# Altium PCB PCB1.PcbDoc (part 1 of 2) (continued)
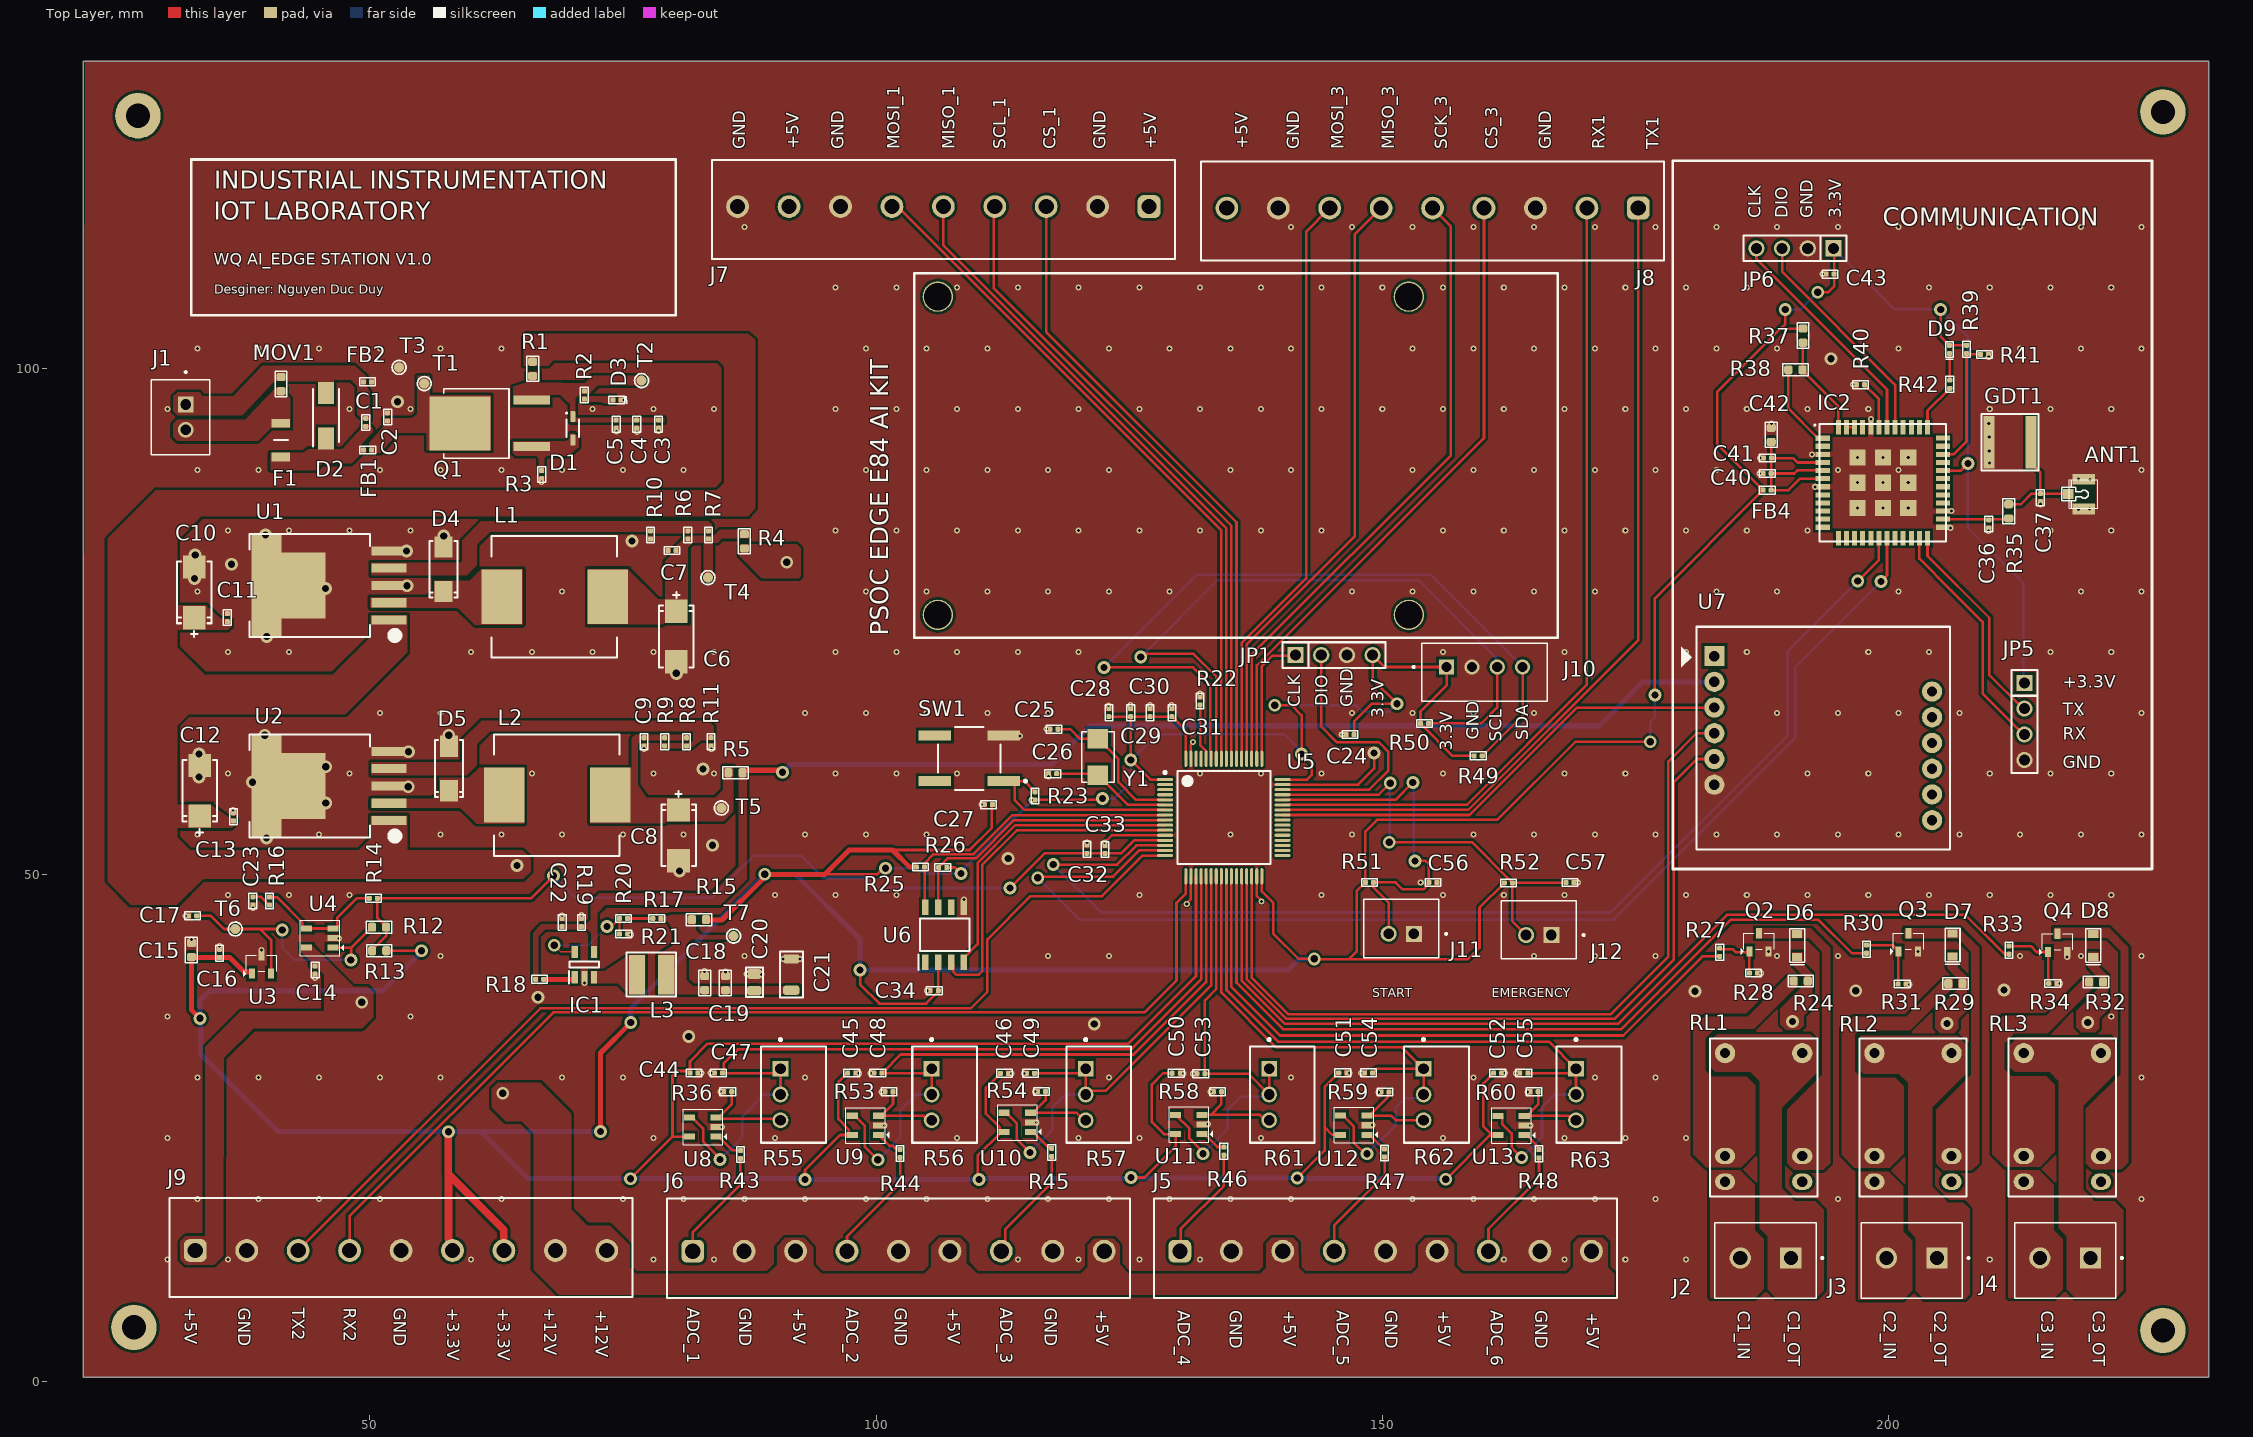
[diagram p0: Top Layer view]
## Footprints (in the part's own frame and the unit in brackets; to place one, negate y for a bottom-side part, rotate by r counter-clockwise, add the part's x,y. Pads: shape width x height; smd on the part's side, far side on the other; paste and mask are expansions set on the pad)
20279-001E-01 [mm]
  rect 1.05x2.2 smd mask+0.025: 1(-1.475,0) 3(1.475,0)
  rect 1x1.05 smd mask+0.025: 2(0,-1.525)
  Top Layer pour cut-out: -0.974,-1.002 0.956,-1.002 0.956,1.182 -0.974,1.182
  silkscreen extent -1.4,-2.16 1.4,1.4, body extent -1.44,-1.49 1.46,1.41, height 1.36
691242510009 [mm] "Serie 2425 - 5.08 mm _ 9 pins"
  rrect50% 2.25x2.25 hole 1.5: 1(-20.32,-0.3)
  round 2.25 hole 1.5: 2(-15.24,-0.3) 3(-10.16,-0.3) 4(-5.08,-0.3) 5(0,-0.3) 6(5.08,-0.3) 7(10.16,-0.3) 8(15.24,-0.3) 9(20.32,-0.3)
  silkscreen extent -22.86,-4.9 22.86,4.9, body extent -22.86,-4.9 22.86,4.9, height 13.85
BOUR-3299W-3_V [mm] "TH, 3-Leads, Body 9.53x6.4mm, Pitch 2.54mm"
  rect 1.55x1.55 hole 1.05: 1(-2.54,-1.29)
  round 1.55 hole 1.05: 2(0,-1.29) 3(2.54,-1.29)
  silkscreen extent -5.54,-3.2 4.76,3.2, body extent -4.76,-3.05 4.76,3.05, height 11.55
"CAP 0402 (1005)" [mm]
  rrect50% 0.5x0.5 smd mask+0.05: 1(-0.4,0) 2(0.4,0)
  silkscreen extent -0.77,-0.39 0.78,0.38, body extent -0.5,-0.25 0.5,0.25, height 0.51
"CAP 0603 (1608)" [mm]
  rrect50% 0.8x0.9 smd mask+0.05: 1(-0.7,0) 2(0.7,0)
  silkscreen extent -1.24,-0.58 1.26,0.59, body extent -0.8,-0.4 0.8,0.4, height 0.81
"CAP 0805 (2012)" [mm]
  rrect50% 0.95x1.4 smd mask+0.05: 1(-0.825,0) 2(0.825,0)
  silkscreen extent -1.45,-0.84 1.45,0.84, body extent -1,-0.62 1,0.63, height 0.61
"CAP 1206 (3216)" [mm]
  rrect50% 0.9x1.6 smd: 1(-1.55,0) 2(1.55,0)
  silkscreen extent -2.29,-1.14 2.29,1.09, body extent -1.6,-0.8 1.6,0.8, height 0.95
"CAP TANTA 2312" [mm]
  rect 2.3x2.25 smd mask+0.05: 1(2.5,0) 2(-2.5,0)
  silkscreen extent -4.4,-1.7 3.05,1.7, body extent -3.05,-1.67 3.05,1.68, height 2.71
"CDRH127 (12x12x7MM)" [mm]
  rect 4x5.4 smd mask+0.05: 1(-5.2,0) 2(5.3,0)
  silkscreen extent -6.2,-6 6.2,6, body extent -6,-6 6,6, height 8.21
CMWX1ZZABZ-078 [mm]
  rect 1.4x0.5 smd: 1(-5.944,4.394) 2(-5.944,3.6) 3(-5.944,2.8) 4(-5.944,2) 5(-5.944,1.2) 6(-5.944,0.4) 7(-5.944,-0.4) 8(-5.944,-1.2) 9(-5.944,-2) 10(-5.944,-2.8) 11(-5.944,-3.6) 12(-5.944,-4.4) 25(5.944,-4.4) 26(5.944,-3.6) 27(5.944,-2.8) 28(5.944,-2) 29(5.944,-1.2) 30(5.944,-0.4) 31(5.944,0.4) 32(5.944,1.2) 33(5.944,2) 34(5.944,2.8) 35(5.944,3.6) 36(5.944,4.4)
  rect 0.5x1.4 smd: 13(-4.4,-5.486) 14(-3.6,-5.486) 15(-2.8,-5.486) 16(-2,-5.486) 17(-1.2,-5.486) 18(-0.4,-5.486) 19(0.4,-5.486) 20(1.2,-5.486) 21(2,-5.486) 22(2.8,-5.486) 23(3.6,-5.486) 24(4.4,-5.486) 37(4.4,5.486) 38(3.6,5.486) 39(2.8,5.486) 40(2,5.486) 41(1.2,5.486) 42(0.4,5.486) 43(-0.4,5.486) 44(-1.2,5.486) 45(-2,5.486) 46(-2.8,5.486) 47(-3.6,5.486) 48(-4.394,5.486)
  rect 1.6x1.6 smd: 49(-2.5,2.5) 50(0,2.5) 51(2.5,2.5) 52(-2.5,0) 53(0,0) 54(2.5,0) 55(-2.5,-2.5) 56(0,-2.5) 57(2.5,-2.5)
  silkscreen extent -6.78,-5.8 6.25,5.8, body extent -6.28,-5.8 6.22,5.8, height 1.76
DO-214AC [mm]
  rect 2.1x1.8 smd mask+0.05: 1(2.2,0) 2(-2.2,0)
  silkscreen extent -2.8,-1.4 2.8,1.4, body extent -2.74,-1.4 2.74,1.4, height 2.3
"FB 0402 (1005)" [mm]
  rrect50% 0.5x0.5 smd mask+0.05: 1(-0.4,0) 2(0.4,0)
  silkscreen extent -0.77,-0.39 0.78,0.38, body extent -0.5,-0.25 0.5,0.25, height 0.55
FP-EVQ-P1905M-MFG [mm]
  rect 1x3.2 smd paste+0 mask+0: A(-2.25,-3.4) A'(-2.25,3.4) B(2.25,-3.4) B'(2.25,3.4)
  silkscreen extent -3.1,-5.68 3.1,3.1, body extent -3.2,-5.1 3.2,5.1, height 0.25
FUSC3216X100N [mm]
  rect 0.86x1.82 smd: 1(-1.675,0) 2(1.675,0)
  silkscreen extent 0,-0.7 0,0.7, body extent -1.63,-0.8 1.63,0.8, height 1
GDT [mil]
  rect 42x205 smd: 1(-82.5,-2) 2(80.5,-2)
  silkscreen extent -111,-112 109,108, body extent -90,-105 88,101, height 205
HANDSON_KF301-2P [mm]
  rect 2.1x2.1 / inner round 2.1 / far side rect 2.1x2.1 hole 1.4: 1(-2.5,0)
  round 2.1 hole 1.4: 2(2.5,0)
  silkscreen extent -5.7,-3.5 5,4, body extent -5.6,-3.75 5,3.75, height 10
IND_4028 [mm]
  rect 1.6x3.9 smd: 1(-1.45,0) 2(1.45,0)
  silkscreen extent -2.46,-2.16 2.44,2.16, body extent -2.19,-2.01 2.21,1.99, height 1.8
"JP 1x4 DT" [mm] "4 pins, 1 row, straight, gold plating"
  rect 1.6x1.6 hole 1.1: 1(0,0)
  round 1.6 hole 1.1: 2(2.54,0) 3(5.08,0) 4(7.62,0)
  silkscreen extent -1.27,-1.27 8.89,1.27, body extent -1.27,-1.27 8.89,1.27, height 8.54
"JP 1X4 DT" [mm] "4 pins, 1 row, straight, gold plating"
  rect 1.6x1.6 hole 1.1: 1(0,0)
  round 1.6 hole 1.1: 2(2.54,0) 3(5.08,0) 4(7.62,0)
  silkscreen extent -1.27,-1.27 8.89,1.27, body extent -1.27,-1.27 8.89,1.27, height 8.54
JST_B2B-XH-A(LF)(SN) [mm]
  rect 1.575x1.575 / inner round 1.575 / far side rect 1.575x1.575 hole 1.05: 1(1.25,-0.525)
  round 1.575 hole 1.05: 2(-1.25,-0.525)
  silkscreen extent -3.7,-2.88 4.54,2.88, body extent -3.7,-2.88 3.7,2.88, height 7
JST_B4B-XH-A [mm]
  rect 1.508x1.508 / inner round 1.508 / far side rect 1.508x1.508 hole 1: 1(3.75,-0.525)
  round 1.508 hole 1: 2(1.25,-0.525) 3(-1.25,-0.525) 4(-3.75,-0.525)
  silkscreen extent -6.2,-2.88 7.1,2.88, body extent -6.2,-2.88 6.2,2.88, height 7
"LED0402 BLUE" [mm]
  rrect50% 0.5x0.5 smd mask+0.05: 1(0.438,-0.009) 2(-0.362,-0.009)
  silkscreen extent -0.92,-0.4 0.82,0.37, body extent -0.5,-0.3 0.5,0.3, height 0.2
"LED 0402 RED" [mm]
  rrect50% 0.5x0.5 smd mask+0.05: 1(0.438,-0.009) 2(-0.362,-0.009)
  silkscreen extent -0.92,-0.4 0.82,0.37, body extent -0.5,-0.3 0.5,0.3, height 0.2
"MODULE SIM SIM800L" [mm]
  rect 2x2 hole 1.02: 1(-10.75,8.1)
  round 2 hole 1.02: 2(-10.75,5.56) 3(-10.75,3.02) 4(-10.75,0.48) 5(-10.75,-2.06) 6(-10.75,-4.6) 7(10.75,-8.1) 8(10.75,-5.56) 9(10.75,-3.02) 10(10.75,-0.48) 11(10.75,2.06) 12(10.75,4.6)
  silkscreen extent -14,-11 12.5,11, body extent -12.5,-11 12.5,11, height 7
MOV22 [mm]
  rrect50% 0.8x0.9 smd mask+0.05: 1(-0.7,0) 2(0.7,0)
  silkscreen extent -1.25,-0.59 1.25,0.58, body extent -0.8,-0.4 0.8,0.4, height 0.4
"RELAY SR5-9V-200-1C" [mm]
  oval 1.6x2 hole 1: 1(-3.81,3.81) 5(-6.35,3.81) 7(-6.35,-3.81) 8(-3.81,-3.81)
  round 2 hole 1: 3(6.35,-3.81) 3(6.35,3.81)
  silkscreen extent -7.8,-5.3 7.8,5.3, body extent -7.8,-5.3 7.8,5.3, height 11.8
"RES 0402 (1005)" [mm]
  rrect50% 0.5x0.5 smd mask+0.05: 1(-0.4,0) 2(0.4,0)
  silkscreen extent -0.77,-0.38 0.77,0.38, body extent -0.5,-0.25 0.5,0.25, height 0.35
"RES 0603 (1608)" [mm]
  rrect50% 0.8x0.9 smd mask+0.05: 1(-0.7,0) 2(0.7,0)
  silkscreen extent -1.25,-0.59 1.25,0.58, body extent -0.8,-0.4 0.8,0.4, height 0.45
SMD5032 [mil]
  rect 76x79 smd: 1(-70.5,0) 2(70.5,0)
  silkscreen extent -98,-63 98,63, body extent -98,-63 98,63, height 43
SOD323 [mm] "SOD323"
  rect 0.8x1 smd: 1(-1.135,0) 2(1.135,0)
  silkscreen extent -1.9,-0.74 1.65,0.74, body extent -1.43,-0.76 1.43,0.74, height 1.13
SOIC127P600X175-8N [mm]
  rect 1.525x0.65 smd: 1(-2.712,1.905) 2(-2.712,0.635) 3(-2.712,-0.635) 4(-2.712,-1.905) 5(2.712,-1.905) 6(2.712,-0.635) 7(2.712,0.635) 8(2.712,1.905)
  silkscreen extent -3.47,-2.45 1.6,2.58, body extent -3,-2.45 3,2.45, height 1.75
SOT-23-3 [mm]
  rect 0.6x1 smd: 1(-0.95,-0.9) 2(0.95,-0.9) 3(0,0.9)
  silkscreen extent -1.8,-1.2 1.5,0.9, body extent -1.5,-1.33 1.5,1.22, height 1
SOT-23-5 [mm]
  rect 1.1x0.6 smd: 1(39.676,3.304) 2(39.676,2.354) 3(39.676,1.404) 4(42.276,1.404) 5(42.276,3.304)
  silkscreen extent 38.6,0.6 42.9,4.1, body extent 39.03,0.58 42.93,4.13, height 0.25
SOT-323 [mm]
  rrect50% 1.1x0.5 smd: 1(-1.15,0) 2(1.15,0)
  silkscreen extent -1.54,-0.65 0.85,0.63, body extent -1.25,-0.63 1.25,0.63, height 1.15
STM-LQFP64_L [mm] "QFP, 64-Leads, Body 10x10mm, Pitch 0.5mm, IPC High Density"
  oval 1.6x0.3 smd: 1(-5.8,3.75) 2(-5.8,3.25) 3(-5.8,2.75) 4(-5.8,2.25) 5(-5.8,1.75) 6(-5.8,1.25) 7(-5.8,0.75) 8(-5.8,0.25) 9(-5.8,-0.25) 10(-5.8,-0.75) 11(-5.8,-1.25) 12(-5.8,-1.75) 13(-5.8,-2.25) 14(-5.8,-2.75) 15(-5.8,-3.25) 16(-5.8,-3.75) 33(5.8,-3.75) 34(5.8,-3.25) 35(5.8,-2.75) 36(5.8,-2.25) 37(5.8,-1.75) 38(5.8,-1.25) 39(5.8,-0.75) 40(5.8,-0.25) 41(5.8,0.25) 42(5.8,0.75) 43(5.8,1.25) 44(5.8,1.75) 45(5.8,2.25) 46(5.8,2.75) 47(5.8,3.25) 48(5.8,3.75)
  oval 0.3x1.6 smd: 17(-3.75,-5.8) 18(-3.25,-5.8) 19(-2.75,-5.8) 20(-2.25,-5.8) 21(-1.75,-5.8) 22(-1.25,-5.8) 23(-0.75,-5.8) 24(-0.25,-5.8) 25(0.25,-5.8) 26(0.75,-5.8) 27(1.25,-5.8) 28(1.75,-5.8) 29(2.25,-5.8) 30(2.75,-5.8) 31(3.25,-5.8) 32(3.75,-5.8) 49(3.75,5.8) 50(3.25,5.8) 51(2.75,5.8) 52(2.25,5.8) 53(1.75,5.8) 54(1.25,5.8) 55(0.75,5.8) 56(0.25,5.8) 57(-0.25,5.8) 58(-0.75,5.8) 59(-1.25,5.8) 60(-1.75,5.8) 61(-2.25,5.8) 62(-2.75,5.8) 63(-3.25,5.8) 64(-3.75,5.8)
  silkscreen extent -5.92,-4.6 4.6,4.6, body extent -5,-5 5,5, height 1.6
"TEST POINT" [mm]
  round 1 smd: 1(0,0)
  silkscreen extent -0.68,-0.69 0.69,0.69
TLV62569DBVR [mm]
  rect 1.2x0.6 smd: 1(-1.25,0.95) 2(-1.25,0) 3(-1.25,-0.95) 4(1.25,-0.95) 5(1.25,0.95)
  silkscreen extent -1.85,-1.45 0.3,1.5, body extent -1.4,-1.45 1.4,1.45, height 1.2
TO-252 [mil]
  rect 35x142 smd: 1(-90.55,-215) 3(90.55,-215)
  rect 209x237 smd: 2(0,63.5)
  silkscreen extent -135,-127 135,127, body extent -130,-272 130,161, height 94
TO-263-6#1 [mm]
  rect 0.9x3.5 smd: 1(-3.412,-6.3) 2(-1.712,-6.3) 3(-0.012,-6.3) 4(1.713,-6.3) 5(3.413,-6.3)
  rect 6.5x5.5 smd: 3(-0.012,2.7)
  rect 10.2x3 smd: 3(0,5.8)
  silkscreen extent -5.3,-7.24 5.09,7.5, body extent -5.07,-7.45 5.09,6.57, height 4.56
TO-263-6#2 [mm]
  rect 0.9x3.5 smd: 1(-3.412,-6.3) 2(-1.712,-6.3) 3(-0.012,-6.3) 4(1.713,-6.3) 5(3.413,-6.3)
  rect 6.5x5.5 smd: 3(-0.012,2.7)
  rect 10.2x3 smd: ""(0,5.8)
  silkscreen extent -5.3,-7.24 5.09,7.5, body extent -5.07,-7.45 5.09,6.57, height 4.56
"TVS SMAj12A" [mm]
  rect 2.15x1.55 smd: 1(-2.25,0) 2(2.25,0)
  silkscreen extent -3.03,-1.3 2.61,1.3, body extent -2.61,-1.3 2.61,1.3, height 2.31

## Part data
ANT1: library part "Antenna SMD"
C1 C3: library part "CAP0402 10nF 50V", "50V 10nF ±5% 0402 Multilayer Ceramic Capacitors MLCC - SMD/SMT ROHS", Manufacturer="FH (Guangdong Fenghua Advanced Tech)", Manufacturer Part Number=0402B103J500NT, Supplier="LCSC electronics", Unit Price=$0.0018
C2 C40: library part "CAP0402 0.22uF 35V", "35V 0.22uF X5R ±10% 0402 Multilayer Ceramic Capacitors MLCC - SMD/SMT ROHS", Manufacturer="Murata Electronics", Manufacturer Part Number=GRT155R6YA224KE01D, Supplier="LCSC electronics", Unit Price="US$ 0.0130"
C4: library part "CAP0402 1nF 50V", "50V 1nF ±5% 0402 Multilayer Ceramic Capacitors MLCC - SMD/SMT ROHS", Manufacturer="Murata Electronics", Manufacturer Part Number=GCM1555C1H102JA16J, Supplier="LCSC electronics", Unit Price=$0.0109
C5 C14 C16 C24 C27 C28 C29 C30 C31 C32 C34 C41 C43 C44 C45 C46 C47 C48 C49 C50 C51 C52 C53 C54 C55 C56 C57: library part "CAP0402 0.1uF 50V", "50V 100nF ±10% 0402 Multilayer Ceramic Capacitors MLCC - SMD/SMT ROHS", Manufacturer="Samwha Capacitor", Manufacturer Part Number=CS1005X7R104K500NR, Supplier="LCSC electronics", Unit Price=$0.0017
C6 C8 C10 C12: library part "CAP TANTA 47UF 16V 2312 20%", "CAP TANTA 47UF 16V 2312 20%", Capacitance=47µF, ESR (Equivalent Series Resistance)="500 mOhm", Lifetime @ Temp.=-, Manufacturer="AVX Corporation", Manufacturer Size Code=C, Operating Temperature="-55°C ~ 125°C", Package / Case="2312 (6032 Metric)", Supplier Part Number 1=478-3912-1-ND, Tolerance=±20%, Voltage - Rated=16V, Category=Capacitors, ComponentLink1Description=http://datasheets.avx.com/TAJ.pdf, ComponentLink1URL=http://datasheets.avx.com/TAJ.pdf, Failure Rate=-, Features="General Purpose", Height - Seated (Max)="0.110\" (2.80mm)", Lead Spacing=-, Manufacturer Part Number=TAJC476M016RNJ, Mounting Type="Surface Mount", Packaging="Cut Tape (CT)", Part Status=Active, Pricing 1="1=0.96, 10=0.728, 25=0.644, 50=0.6048, 100=0.5208, 250=0.4704 (USD)", RoHS="RoHS Compliant", Size / Dimension="0.236\" L x 0.126\" W (6.00mm x 3.20mm)", Stock 1=1330, Supplier 1=Digi-Key, Type=Molded
C7 C9 C11 C13 C17 C33: library part "CAP0402 1uF 25V", "25V 1uF ±10% 0402 Multilayer Ceramic Capacitors MLCC - SMD/SMT ROHS", Manufacturer="FH (Guangdong Fenghua Advanced Tech)", Manufacturer Part Number=0402X105K250NT, Supplier="LCSC electronics", Unit Price="US$ 0.0044"
C15 C18 C19 C42: library part "CAP0603 10uF 25V", "25V 10uF X5R ±20% 0603 Multilayer Ceramic Capacitors MLCC - SMD/SMT ROHS", Manufacturer=Chinocera, Manufacturer Part Number=HGC0603R5106M250NTHJ, Supplier="LCSC electronics", Unit Price=$0.0199
C20: library part "CAP0805 22uF 25V", "25V 22uF X5R ±20% 0805 Multilayer Ceramic Capacitors MLCC - SMD/SMT ROHS", Manufacturer="Murata Electronics", Manufacturer Part Number=GRM21BR61E226ME44L, Supplier="LCSC electronics", Unit Price=$0.0448
C21: library part "CAP1206 47uF", "47uF ±10% 1206 Multilayer Ceramic Capacitors MLCC - SMD/SMT ROHS", Manufacturer="Murata Electronics", Manufacturer Part Number=GRM31CC80J476KE01L, Supplier="LCSC electronics", Unit Price=$0.1145
C22: library part "CAP0402 4.7uF 25V", "25V 4.7uF X5R 0402 Multilayer Ceramic Capacitors MLCC - SMD/SMT ROHS", Manufacturer="Murata Electronics", Manufacturer Part Number=GRM155R61E475ME15D, Supplier="LCSC electronics", Unit Price=$0.0433
C23: library part "CAP0402 2.2uF 35V", "35V 2.2uF X5R ±20% 0402 Multilayer Ceramic Capacitors MLCC - SMD/SMT ROHS", Manufacturer="Murata Electronics", Manufacturer Part Number=GRM155R6YA225ME11D, Supplier="LCSC electronics", Unit Price=$0.0350
C25 C26: library part "CAP0402 10pF 50V", "50V 10pF CH ±2% 0402 Multilayer Ceramic Capacitors MLCC - SMD/SMT ROHS", Manufacturer="Murata Electronics", Manufacturer Part Number=GRM1552C1H100GA01D, Supplier="LCSC electronics", Unit Price=$0.0067
C36 C37: library part "CAP0402 33pF 50V", "50V 33pF NP0 ±5% 0402 Multilayer Ceramic Capacitors MLCC - SMD/SMT ROHS", Manufacturer=YAGEO, Manufacturer Part Number=CC0402JRNPO9BN330, Supplier="LCSC electronics", Unit Price=$0.001
D1: library part BAT60B, "Schottky Diode10V Single 600mV@1A 3A SOD-323 Schottky Barrier Diodes (SBD) ROHS", Manufacturer="High Diode", Manufacturer Part Number=BAT60B, Supplier="LCSC electronics", Unit Price=$0.0317
D2: library part "TVS DIODE SMAJ12A", "TVS DIODE 12VWM 19.9VC DO214AC", Manufacturer="Littelfuse Inc.", Manufacturer Part Number=SMAJ12A, ComponentLink1Description=Datasheet, ComponentLink1URL=https://www.littelfuse.com/~/media/electronics/datasheets/tvs_diodes/littelfuse_tvs_diode_smaj_datasheet.pdf.pdf, Detailed Description="19.9V Clamp 20.1A Ipp Tvs Diode Surface Mount DO-214AC (SMA)", Price=$0.38, Product status=active, Supplier=https://www.digikey.com/en/products/detail/littelfuse-inc/SMAJ12A/762270
D3: library part "LED RED 0402", "Red 0402 Light Emitting Diodes (LED) ROHS", Manufacturer="BrtLed(Bright LED Elec)", Manufacturer Part Number=BL-HUB37A-AV-TRB, Supplier="LCSD electronics", Unit Price=$0.0171
D4 D5: library part "DIO SCHOTTKY 3A 40V", "DIO SMD 3A 40V", Capacitance @ Vr, F=-, Current - Average Rectified (Io)=3A, Current - Reverse Leakage @ Vr="500µA @ 40V", Manufacturer="Fairchild Semiconductor", Operating Temperature - Junction="-55°C ~ 150°C", Package / Case="DO-214AB, SMC", Supplier Device Package="SMC (DO-214AB)", Supplier Part Number 1=SS34FSCT-ND, Voltage - DC Reverse (Vr) (Max)=40V, Voltage - Forward (Vf) (Max) @ If="500mV @ 3A", Category="Discrete Semiconductor Products", ComponentLink1Description=http://www.fairchildsemi.com/datasheets/SS/SS34.pdf, ComponentLink1URL=http://www.fairchildsemi.com/datasheets/SS/SS34.pdf, Date=20160229, Diode Type=Schottky, Manufacturer Part Number=SS34, Mounting Type="Surface Mount", Packaging="Cut Tape (CT)", Pricing 1="1=0.54, 10=0.459, 100=0.343, 500=0.26944, 1000=0.20773 (USD)", Reverse Recovery Time (trr)=-, RoHS="RoHS Compliant", Speed="Fast Recovery =< 500ns, > 200mA (Io)", Stock 1=36545, Supplier 1=Digi-Key
D6 D7 D8: library part "DIO 1N4148WS", "DIODE GEN PURP 75V 150MA SOD323F", Capacitance @ Vr, F="4pF @ 0V, 1MHz", Current - Average Rectified (Io)=150mA, Current - Reverse Leakage @ Vr="5µA @ 75V", Manufacturer="Fairchild/ON Semiconductor", Operating Temperature - Junction="150°C (Max)", Package / Case="SC-90, SOD-323F", Supplier Device Package=SOD-323F, Supplier Part Number 1=1N4148WSFSCT-ND, Voltage - Forward (Vf) (Max) @ If="1V @ 10mA", Category="Discrete Semiconductor Products", ComponentLink1Description=https://www.fairchildsemi.com/datasheets/1N/1N4148WS.pdf, ComponentLink1URL=https://www.fairchildsemi.com/datasheets/1N/1N4148WS.pdf, Diode Type=Standard, Manufacturer Part Number=1N4148WS, Mounting Type="Surface Mount", Packaging="Cut Tape (CT)", Part Status=Active, Pricing 1="1=0.18, 10=0.168, 100=0.0912, 500=0.05614, 1000=0.03827 (USD)", RoHS="RoHS Compliant", Speed="Small Signal =< 200mA (Io), Any Speed", Stock 1=318953, Supplier 1=Digi-Key
D9: library part "LED BLUE 0402", "blue 0402 Light Emitting Diodes (LED) ROHS", Manufacturer="BrtLed(Bright LED Elec)", Manufacturer Part Number=BL-HB337A-AV-TRB, Supplier="LCSD electronics", Unit Price=$0.0178
F1: library part MF-NSML260_12-2, "PTC RESET FUSE 12V 2.6A 1206", Manufacturer="Bourns Inc.", Detailed Description="Polymeric PTC Resettable Fuse 12V 2.6 A Ih Surface Mount 1206 (3216 Metric), Concave", Manufacturer Part Number=MF-NSML260/12-2, Price=$0.94, Product status=https://www.digikey.com/en/products/detail/bourns-inc/MF-NSML260-12-2/9859201
FB1 FB2: library part CMBH1005S221LSP, "±25% 220Ω@100MHz 0402 Ferrite Beads ROHS", Manufacturer=Cybermax, Manufacturer Part Number=CMBH1005S221LSP, Supplier="LCSD electronics", Unit Price=$0.0055
FB4: "600mΩ ±25% 600Ω@100MHz 0402 Ferrite Beads ROHS", Manufacturer=INPAQ, Manufacturer Part Number=MCB1005B601FBP, Supplier="LCSD electronics", Unit Price=$0.0023
GDT1: library part "GDT 75V 5KA 2 POLE SURFACE MOUNT", "Gas Discharge Tube 75 V 5000A (5kA) 2 Pole Surface Mount", Manufacturer=Littelfuse, Manufacturer Part Number=SH75, Supplier=Digikey, Unit Price=$1.61
IC1: library part TLV62569DBVR, "IC REG BUCK ADJ 2A SOT23-5", Manufacturer="Texas Instruments", ComponentLink1Description=Datasheet, ComponentLink1URL=https://www.ti.com/general/docs/suppproductinfo.tsp?distId=10&gotoUrl=https%3A%2F%2Fwww.ti.com%2Flit%2Fgpn%2Ftlv62569, Detailed Description="Buck Switching Regulator IC Positive Adjustable 0.6V Output 2A SC-74A, SOT-753Buck Switching Regulator IC Positive Adjustable 0.6V Output 2A SC-74A, SOT-753", Manufacturer Part Number=TLV62569DBVT, Price=$1.24, Product status=Active, Supplier=https://www.digikey.com/en/products/detail/texas-instruments/TLV62569DBVT/7688204https://www.digikey.com/en/products/detail/texas-instruments/TLV62569DBVT/7688204
IC2: "Integrated Circuit", Manufacturer_Name="Murata Electronics", Mouser Part Number=81-CMWX1ZZABZ-078, Arrow Part Number=CMWX1ZZABZ-078, Arrow Price/Stock=https://www.arrow.com/en/products/cmwx1zzabz-078/murata-manufacturing, Datasheet Link=http://www.mouser.com/ds/2/281/Murata_11172016_CMWX1ZZABZ-078-1063304.pdf, Manufacturer_Part_Number=CMWX1ZZABZ-078, Mouser Price/Stock=https://www.mouser.co.uk/ProductDetail/Murata-Electronics/CMWX1ZZABZ-078?qs=POvGejmMzm8lN1bzM2%2FdRQ%3D%3D
J1: "Connector", Arrow Part Number="B2B-XH-2 (LF)(SN)", Manufacturer_Name="JST (JAPAN SOLDERLESS TERMINALS)", Arrow Price/Stock=https://www.arrow.com/en/products/b2b-xh-2-lf-sn/jst-manufacturing?region=europe, Datasheet Link=http://uk.rs-online.com/web/p/products/1755297, HEIGHT=7mm, Manufacturer_Part_Number="B2B-XH-2 (LF)(SN)"
J2 J3 J4: "2 Pin Terminal Block 5mm Pitch", Package=None, Check_prices=https://www.snapeda.com/parts/KF301-2P/Handson+Technology/view-part/?ref=eda, MF="Handson Technology", MP=KF301-2P, SnapEDA_Link=https://www.snapeda.com/parts/KF301-2P/Handson+Technology/view-part/?ref=snap
J5 J6 J7 J8 J9: library part CMP-1502-02641-3, "Terminal Block, 5.08MM Pitch, Horizontal, Rising Cage Clamp, 12-30 AWG, 9 Pin"
J10: "Connector Header Through Hole 4 position 0.098 (2.50mm)", Package=None, Check_prices=https://www.snapeda.com/parts/B4B-XH-A/JST/view-part/?ref=eda, MF="JST Sales", MP=B4B-XH-A, SnapEDA_Link=https://www.snapeda.com/parts/B4B-XH-A/JST/view-part/?ref=snap
J11 J12: "Connector Header Through Hole 2 position 0.098 (2.50mm)", Package=None, Check_prices=https://www.snapeda.com/parts/B2B-XH-A(LF)(SN)/JST/view-part/?ref=eda, MF="JST Sales", MP=B2B-XH-A(LF)(SN), SnapEDA_Link=https://www.snapeda.com/parts/B2B-XH-A(LF)(SN)/JST/view-part/?ref=snap
JP1 JP5 JP6: library part "JP 1x4 2.54 Duc Thang", "Cắm", Chung_Loai=Cắm, Don_Vi=Con, Ma_Hang=MH000903, Ten_Linh_Kien="Jump Đơn Đực 2.54MM 1x40P Thẳng 11MM"
L1 L2: library part "IND 33uH 3A 12x12mm", "FIXED IND 33UH 3A 59 MOHM SMD", Manufacturer=Sumida, Manufacturer Part Number=CDRH125L125NP-330MC, Supplier Part Number 1=308-CDRH125L125NP-330MCCT-ND, Pricing 1="1=1.34, 10=1.242, 25=1.1464, 50=0.9556, 100=0.8982, 250=0.8026 (USD)", Stock 1=128, Supplier 1=Digi-Key
L3: library part "IND 2.2uH VLS4015CX-2R2M-H", "INDUCTORS FOR POWER CIRCUITS, AU", Manufacturer=TDK, Manufacturer Part Number=VLS4015CX-2R2M-H, Supplier Part Number 1=445-VLS4015CX-2R2M-HCT-ND, Pricing 1="1=0.43, 10=0.384, 25=0.3356, 50=0.2876, 100=0.2637, 250=0.2397, 500=0.2253 (USD)", Stock 1=1572, Supplier 1=Digi-Key
MOV1: library part MOV22, "VARISTOR 22V 30A 0603", Manufacturer="Bourns Inc.", Manufacturer Part Number=CG0603MLA-18KE, ComponentLink1Description=Datasheet, ComponentLink1URL=https://www.bourns.com/docs/Product-Datasheets/MLA.pdf, Detailed Description="28 V 30 A Varistor 1 Circuit Surface Mount, MLCV 0603 (1608 Metric)", Price=$0.27, Product status=Active, Supplier=https://www.digikey.com/en/products/detail/bourns-inc/CG0603MLA-18KE/2538081
Q1: library part "MOSFET PNP AOD4185 _1", "AOD4185 TO252 MOSFET P-1CH 40A 40V", Manufacture=Banlinhkien, Manufacture Part Number=LK_04976
Q2 Q3 Q4: library part "TRANS MMBT4401-7-F", "TRANS NPN 40V 0.6A SMD SOT23-3", Current - Collector Cutoff (Max)=-, DC Current Gain (hFE) (Min) @ Ic, Vce="100 @ 150mA, 1V", Frequency - Transition=250MHz, Manufacturer="Diodes Incorporated", Operating Temperature="-55°C ~ 150°C (TJ)", Package / Case="TO-236-3, SC-59, SOT-23-3", Supplier Device Package=SOT-23-3, Supplier Part Number 1=MMBT4401-FDICT-ND, Category="Discrete Semiconductor Products", ComponentLink1Description=https://www.diodes.com/assets/Datasheets/ds30039.pdf, ComponentLink1URL=https://www.diodes.com/assets/Datasheets/ds30039.pdf, Manufacturer Part Number=MMBT4401-7-F, Mounting Type="Surface Mount", Packaging="Cut Tape (CT)", Part Status=Active, Pricing 1="1=0.15, 10=0.134, 100=0.0729, 500=0.04486, 1000=0.03059 (USD)", RoHS="RoHS Compliant", Stock 1=86548, Supplier 1=Digi-Key, Transistor Type=NPN, Vce Saturation (Max) @ Ib, Ic="750mV @ 50mA, 500mA"
R1 R4 R5 R15 R35 R37: library part "RES0603 0R", "0Ω 0603 Chip Resistor - Surface Mount ROHS", Manufacturer="KOA Speer Elec", Manufacturer Part Number=RK73Z1JTTD, Supplier="LCSC electronics", Unit Price=$0.0048
R2 R10 R11 R27 R30 R33 R42 R49 R50: library part "RES0402 1kR 1%", "±5% 1kΩ 0402 Chip Resistor - Surface Mount ROHS", Manufacturer=VO, Manufacturer Part Number=SCR0402J1K, Supplier="LCSC electronics", Unit Price=$0.0004
R3 R21: library part "RES0402 100k 1%", "±1% 100kΩ 0402 Chip Resistor - Surface Mount ROHS", Manufacturer=VO, Manufacturer Part Number=SCR0402F100K, Supplier="LCSC electronics", Unit Price=$0.0005
R6 R9: library part "RES0402 6.8k 1%", "±1% 6.8kΩ 0402 Chip Resistor - Surface Mount ROHS", Manufacturer=VO, Manufacturer Part Number=SCR0402F6K8, Supplier="LCSC electronics", Unit Price=$0.0005
R7: library part "RES0402 5.6k 1%_1", "±1% 5.6kΩ 0402 Chip Resistor - Surface Mount ROHS", Manufacturer=VO, Manufacturer Part Number=SCR0402F5K6, Supplier="LCSC electronics", Unit Price=$0.0005
R8: library part "RES0402 3kR 1%", "±1% 3kΩ 0402 Chip Resistor - Surface Mount ROHS", Manufacturer=VO, Manufacturer Part Number=SCR0402F3K, Supplier="LCSC electronics", Unit Price=$0.0005
R12 R13 R38: library part "RES0603 DNP", "Res do not populate"
R14: library part "RES0402 0R", "0Ω 0402 Chip Resistor - Surface Mount ROHS", Manufacturer="KOA Speer Elec", Manufacturer Part Number=RK73Z1ETTP, Supplier="LCSC electronics", Unit Price=$0.0072
R16: library part "RES0402 0.56R 5%", "±5% 560mΩ 0402 Chip Resistor - Surface Mount ROHS", Manufacturer=VO, Manufacturer Part Number=SCR0402JR560, Supplier="LCSC electronics", Unit Price=$0.0027
R17: library part "RES0402 150kR 1%", "±1% 150kΩ 0402 Chip Resistor - Surface Mount ROHS", Manufacturer=VO, Manufacturer Part Number=SCR0402F150K, Supplier="LCSC electronics", Unit Price=$0.0005
R18: library part "RES0402 10k 1%", "200mW Thick Film Resistors ±100ppm/℃ ±1% 10kΩ 0402 Chip Resistor - Surface Mount ROHS", Manufacturer="Vishay Intertech", Manufacturer Part Number=RCS040210K0FKED, Supplier="LCSC electronics", Unit Price=$0.0127
R19: library part "RES0402 499k 1%", "±1% 499kΩ 0402 Chip Resistor - Surface Mount ROHS", Manufacturer=VO, Manufacturer Part Number=SCR0402F499K, Supplier="LCSC electronics", Unit Price=$0.0005
R20: library part "RES0402 300kR 1%", "±1% 300kΩ 0402 Chip Resistor - Surface Mount ROHS", Manufacturer=VO, Manufacturer Part Number=SCR0402F300K, Supplier="LCSC electronics", Unit Price=$0.0005
R22 R23 R36 R39 R40 R43 R44 R45 R46 R47 R48 R51 R52 R53 R54 R58 R59 R60: library part "RES0402 10kR 1%", "±1% 10kΩ 0402 Chip Resistor - Surface Mount ROHS", Manufacturer=VO, Manufacturer Part Number=SCR0402F10K, Supplier="LCSC electronics", Unit Price=$0.0005
R24 R29 R32: library part "RES0603 120R 1%", "±1% 120Ω 0603 Chip Resistor - Surface Mount ROHS", Manufacturer=VO, Manufacturer Part Number=SCR0603F120R, Supplier="LCSC electronics", Unit Price=$0.0009
R25 R26: library part "RES0402 4.7kR 1%", "±1% 4.7kΩ 0402 Chip Resistor - Surface Mount ROHS", Manufacturer=VO, Manufacturer Part Number=SCR0402F4K7, Supplier="LCSC electronics", Unit Price=$0.0005
R28 R31 R34: library part "RES0402 100kR 1%", "±1% 100kΩ 0402 Chip Resistor - Surface Mount ROHS", Manufacturer=VO, Manufacturer Part Number=SCR0402F100K, Supplier="LCSC electronics", Unit Price=$0.0005
R41: library part "RES0402 DNP", "Res do not populate"
R55 R56 R57 R61 R62 R63: library part CMP-2000-05584-1, "Square Trimpot(R) Trimming Potentiometer, 10 KOhm, +/- 10%, 500 mW, -55 to 125 degC, 3-Pin THD, RoHS, Tube", Manufacturer=Bourns, Operating Temperature Range=-55Cto+125C, Package Description="3-Pin Surface Mount Device, Body 9.53 x 6.1 mm, Pitch 2.54 mm", Package Reference=3299W, Power Rating=500mW(1/2W), Resistance=10kOhms, Tolerance=10%, Adjustment=TopCrossed, Brand=Bourns, Datasheet URL=http://www.bourns.com/docs/Product-Datasheets/3299.pdf, Datasheet Version=04/2014, Element Type=Cermet, Length=10.03mm, Manufacturer URL=http://www.bourns.com/, Mounting=PanelMount, Mounting Technology=ThroughHole, Packaging=Tube, Product=Multiturn, Product Category=TrimmerResistors-ThroughHole, Product Type=SquareTrimmingPotentiometer, Qualification=Commercial, RoHS="No /  / RoHSVersionAvailable", Series=3299, Taper=Linear, Termination Style=Pin, Tradename=Trimpot, Type=Trimmers, Unit Weight=0.035000oz, Width=9.53mm
RL1 RL2 RL3: library part "RELAY 1 FORM C SR5-9V-200-1C", "15.6 X 10.6 X 11.8 MM, 9 V, 1 A,", Manufacturer="CUI Devices", Supplier Part Number 1=2223-SR5-9V-200-1C-ND, Manufacturer Part Number=SR5-9V-200-1C, Pricing 1="1=1.3, 10=1.218, 25=1.0824, 50=1.0282, 100=0.9742, 250=0.8659, 450=0.8118, 950=0.7577, 9800=0.7198 (USD)", Stock 1=985, Supplier 1=Digi-Key
SW1: library part CMP-05618-000070-1, "SWITCH TACTILE SPST-NO 0.05A 12V", Actuator Color=Natural, Case/Package=SMD/SMT, Contact Resistance=100mR, Current Rating=50mA, Max Operating Temperature=85°C, Max Voltage Rating (DC)=12V, Min Operating Temperature=-40°C, Operating Force=1.6N, Package Quantity=2000, Actuator Length=1.5mm, Actuator Type=Standard, Contact Plating=Gold, Electrical Life=100000Cycles, Illumination Type=Non-Illuminated, Lead Free="Lead Free", Mechanical Life=100000Cycles, Mount="Surface Mount", Orientation=Straight, Packaging="Tape and Reel", Radiation Hardening=No, REACH SVHC="No SVHC", RoHS Compliant=Yes, Series=EVQP1, Size=6.1mm, Switch Function=Off-Mom, Switch Travel=1.3mm, Termination=J-Bend, Throw Configuration=SPST, Voltage Rating (DC)=12V
U1 U2: library part "IC LM2596HVS-ADJ", "TO-263 DC-DC CONVERTERS ROHS", Alternative MPN=LK_02154, Manufacturer=TI, Supplier Part Number 1=LM2596-ADJ, LINK SALE=http://banlinhkien.vn/goods-2354-lm2596s-adj-buck-adj-3a-to263-5.html, Manufacturer Part Number=LM2596HVS-ADJ, Supplier 1=CHINA
U3: library part "IC ISL21010CFH330Z-TK", "IC VREF SERIES 0.2% SOT23-3", Current - Output=25mA, Current - Quiescent=80µA, Manufacturer=Intersil, Operating Temperature="-40°C ~ 125°C", Package / Case="TO-236-3, SC-59, SOT-23-3", Standard Package=1,000, Supplier Device Package=SOT-23-3, Supplier Part Number 1=ISL21010CFH330Z-TK-ND, Temperature Coefficient=50ppm/°C, Tolerance=±0.2%, Voltage - Input="3.1 V ~ 5.5 V", Voltage - Output=3V, Category="Integrated Circuits (ICs)", ComponentLink1Description=http://www.farnell.com/datasheets/1599533.pdf?src-supplier=Element14, ComponentLink1URL=http://www.farnell.com/datasheets/1599533.pdf?src-supplier=Element14, Family="PMIC - Voltage Reference", Manufacturer Part Number=ISL21010CFH330Z-TK, Mounting Type="Surface Mount", Number of Channels=1, Packaging="Tape & Reel (TR)", Reference Type="Series, Precision", Stock 1=0, Supplier 1=Digi-Key
U4 U8 U9 U10 U11 U12 U13: library part "IC OPAM LM321LVIDBVR", "IC OPAMP GP 1 CIRCUIT SOT23-5", Alternative MPN=LK_13449, Manufacturer="Texas Instruments", Supplier Part Number 1=296-51261-1-ND, ComponentLink1Description=http://www.ti.com/general/docs/suppproductinfo.tsp?distId=10&amp;gotoUrl=http%3A%2F%2Fwww.ti.com%2Flit%2Fgpn%2Flm321lv&src-supplier=Digi-Key, ComponentLink1URL=http://www.ti.com/general/docs/suppproductinfo.tsp?distId=10&amp;gotoUrl=http%3A%2F%2Fwww.ti.com%2Flit%2Fgpn%2Flm321lv&src-supplier=Digi-Key, Manufacturer Part Number=LM321LVIDBVR, Pricing 1="1=0.4, 10=0.304, 25=0.274, 100=0.1894, 250=0.1594, 500=0.1296, 1000=0.0997 (USD)", Stock 1=22892, Supplier 1=Digi-Key
U5: library part CMP-1655-00011-2, "Ultra-Low-Power ARM Cortex-M4 32-bit MCU+FPU, 512 KB Flash, 128 KB Internal RAM, 51 I/Os, 64-Pin LQFP, -40 to 85 degC, Tray", I/Os (High Current)=51, Manufacturer=STMicroelectronics, Operating Frequency(F) (Processor speed) (MHz)=80, Package Description="64-Pin Low-profile Quad Flat Package, Body 10 x 10 mm, Pitch 0.5 mm", Package Reference=LQFP64, Supply Voltage(Vcc) min (V)=1.71, ComponentLink1Description="Manufacturer URL", ComponentLink1URL=http://www.st.com/, ComponentLink2Description=Datasheet, ComponentLink2URL=http://www.st.com/st-web-ui/static/active/en/resource/technical/document/datasheet/DM00108832.pdf, Core="ARM Cortex-M4", D/A Converter=2, DatasheetVersion="Rev. 4", FLASH Size (Prog) (kB)=512, Internal RAM Size (kB)=128, Mounting Technology="Surface Mount", Packing=Tray, PartNumber=STM32L476RET6
U6: library part "IC DS3231MZ+", "I2C SOP-8 Real-time Clocks (RTC) ROHS", Manufacturer="Analog Devices Inc./Maxim Integrated", Manufacturer Part Number=DS3231MZ+TRL, Supplier="LCSD electronics", Unit Price=$1.9887
U7: library part "SIM TDM2309", "Module 4G SIMCOM A7680C TDM2309", Manufacturer=SIMCOM, Manufacturer Part Number=TDM2309, Supplier=https://linhkienthuduc.com/, Unit Price=189.000VND
Y1: library part "CRYSTAL 8MHZ", "CRYSTAL 8MHZ SMD5032", Manufacture=Banlinhkien, Manufacture Part Number=LK_05093

## Free pads (board coordinates)
  round 4.5 hole 2.4: 5(26.7,5.3) 5(27.1,124.975) 5(227.1,5) 5(227.1,125.35)
  round 3 hole 2.7: 5(106.1,75.675) 5(106.1,107.11) 5(152.62,75.675) 5(152.62,107.11)

## Via types
v1: diameter 0.6, hole 0.3, Top Layer to Bottom Layer, 434 vias
v2: diameter 1.27, hole 0.711, Top Layer to Bottom Layer, 91 vias

## Nets (pads, with @x,y where several pads share a name; then routed paths per layer and width w, separated by ;. In a path a pad name is that pad's centre, name@x,y a point inside that pad or via, vN(x,y) a via of type N, cw(c..) or ccw(c..) an arc to the next point about the centre after c; other vN are vias at no path point)
+REF3V: C17.1 R12.2 T6.1 U3.2 U4.1 | length 28.8
  Top Layer w0.254: C17.1@32.9,45.95 34.3,45.95 35.6,44.65 T6.1@36.707,44.65 39.206,44.65 41.25,44.65 v2(41.35,44.55) ; 39.206,44.619 40.25,43.575 U3.2@40.25,40.25 ; U4.1@46.35,42.8 48.186,42.8 ; v2(48.125,41.6) 48.186,41.661 48.186,42.8 ; R12.2@50.213,44.827 50.213,44.817 49.901,44.504 49.89,44.504 48.186,42.8
  Bottom Layer w0.254: v2(41.35,44.55) 41.35,42.825 42.575,41.6 v2(48.125,41.6)
+VCC_3.3V: C15.1 C16.1 C24.1 C27.2 C28.1 C29.1 C30.1 C31.1 C34.1 C43.1 C44.2 C45.2 C46.2 C50.2 C51.2 C52.2 D9.1 FB4.1 IC2.32 J9.6 J9.7 J10.1 JP1.4 JP5.1 JP6.1 R13.2 R15.2 R23.2 R25.2 R26.2 R37.2 R39.2 R49.1 R50.1 R51.2 R52.2 U3.1 U5.1 U5.19 U5.32 U5.48 U5.64 U6.2 U8.5 U9.5 U10.5 U11.5 U12.5 U13.5 | length 842.8
  Top Layer w0.254: R13.2@51.625,42.5 v2(55.1,42.5) ; v2(75.734,19.984) 79.893,24.143 ; U8.5@81.588,24.143 79.893,24.143 ; v2(92.984,19.919) 92.984,20.834 96.45,24.3 U9.5@97.4,24.3 ; 94.949,50.049 100.09,50.049 100.691,50.65 v2(100.925,50.65) ; C45.2@97.198,30.414 97.075,30.291 97.016,30.291 96.274,29.549 96.274,25.86 97.302,24.832 97.302,24.398 U9.5@97.4,24.3 ; U9.5@97.65,24.3 U9.5@97.4,24.3 ; v2(98.425,40.6) 98.425,39.175 100.325,37.275 104.952,37.275 106.027,38.35 106.027,38.427 C34.1@106.15,38.55 106.145,38.555 106.145,41.358 U6.2@106.14,41.363 ; 101.623,52.452 109.252,52.452 111.429,54.629 111.429,56.854 C27.2@111.5,56.925 ; R26.2@106.988,50.724 107.784,50.724 v2(108.381,50.127) ; v2(110.175,19.9) 110.025,20.05 110.025,22.275 U10.5@112.22,24.47 ; C46.2@112.283,30.389 110.85,28.956 110.85,26.4 112.227,25.023 112.227,24.773 112.4,24.6 U10.5@112.65,24.6 ; R23.2@115.7,57.4 122.239,57.4 v2(122.363,57.523) ; C28.1@122.994,65.614 C29.1@125.153,65.614 ; v2(125.175,20.1) 126.525,20.1 129.591,23.166 U11.5@129.591,24.393 128.432,24.393 127.25,25.575 127.25,29.3 128.35,30.4 C50.2@129.25,30.4 ; U5.1@128.552,59.407 127.087,59.407 v2(125.161,61.332) 125.157,61.336 125.157,65.61 C29.1@125.153,65.614 ; U5.64@130.602,61.457 130.602,64.229 C31.1@129.217,65.614 C30.1@127.058,65.614 C29.1@125.153,65.614 ; U5.19@131.6,49.857 131.6,40 124.925,33.325 83.375,33.325 81.623,31.573 81.623,30.625 80.375,30.625 79.893,30.143 79.893,24.143 ; U5.32@138.102,49.857 138.102,48.373 139.225,47.25 139.225,44.225 141.75,41.7 v2(143.275,41.7) 143.3,41.675 146.725,41.675 ; v2(139.375,66.75) 141.025,66.75 142.025,65.75 v2(142.025,61.925) 142.075,61.925 143.025,60.975 143.025,59.85 142.582,59.407 U5.48@140.152,59.407 ; v2(141.6,20.05) 144.3,22.75 144.3,25.075 ; C51.2@145.698,30.439 144.3,29.041 144.3,25.075 ; U12.5@145.877,24.318 145.057,24.318 144.3,25.075 ; C24.1@147.225,63.85 147.225,65.125 149,66.9 v2(151.45,66.9) 149.05,69.3 JP1.4@149.05,71.7 150.225,70.525 J10.1@156.35,70.525 156.35,68.711 153.775,66.136 R50.1@153.775,64.95 154.048,64.677 154.048,64.658 156.956,61.75 R49.1@159.075,61.75 ; v2(156.275,19.925) 160.562,24.212 161.088,24.212 U13.5@161.169,24.293 ; C52.2@161.002,30.414 159.975,29.387 159.975,25.15 160.685,24.44 161.022,24.44 U13.5@161.169,24.293 ; U13.5@161.419,24.293 U13.5@161.169,24.293 ; R52.2@162.05,49.2 159.6,46.75 159.6,42.813 158.462,41.675 146.725,41.675 ; v2(176.468,63.141) 169.066,63.141 161.35,55.425 149.475,55.425 148.325,54.275 R51.2@148.325,49.245 147.475,48.395 147.475,42.425 146.725,41.675 ; v2(176.925,67.75) 176.925,77.298 FB4.1@187.615,87.988 183.075,92.528 183.075,97.675 189.35,103.95 ; v2(189.803,105.82) 189.803,104.403 189.35,103.95 ; R37.2@191.55,103.95 189.35,103.95 ; v2(193.007,107.532) 194.032,107.532 194.625,108.125 C43.1@194.625,109.325 194.625,111.815 JP6.1@194.565,111.875 ; v2(205.151,105.841) 205.151,103.146 D9.1@206.009,102.288 206.015,102.294 207.694,102.294 R39.2@207.7,102.3 ; IC2.32@205.394,89.925 207.145,89.925 v2(207.845,90.625)
  Top Layer w0.5: v2(33.225,35.825) 32.375,36.675 C15.1@32.375,41.875 32.55,41.875 32.575,41.85 C16.1@35.15,41.85 36.15,41.85 37.62,40.38 38.3,40.38 38.35,40.33 U3.1@38.35,40.25 ; v2(72.775,24.65) 72.775,32.4 v2(75.775,35.4) ; R15.2@83.2,45.575 83.319,45.575 83.35,45.544 84.795,45.544 88.855,49.605 88.855,49.901 v2(89.003,50.049) 89.15,50.196 89.297,50.049 94.949,50.049 97.352,52.452 101.623,52.452 103.325,50.75 103.953,50.75 R25.2@103.976,50.773
  Top Layer w0.75: v2(57.762,24.618) 57.762,20.413 57.775,20.4 ; J9.6@58.166,12.893 57.784,13.275 57.784,14.031 57.775,14.04 57.775,20.4 ; J9.7@63.246,12.893 63.246,14.929 57.775,20.4
  Bottom Layer w0.254: v2(100.925,50.65) 104.282,50.65 104.829,50.103 108.356,50.103 v2(108.381,50.127) 108.381,50.312 115.375,57.306 v1(115.375,57.4) ; v2(122.363,57.523) 123.573,57.523 125.156,59.106 125.156,61.326 v2(125.161,61.332) 127.729,63.9 140.316,63.9 142.025,62.191 v2(142.025,61.925) ; v2(139.375,66.75) 147.413,66.75 148.038,66.125 150.675,66.125 v2(151.45,66.9) ; v2(176.468,63.141) 176.468,65.12 176.925,65.576 v2(176.925,67.75) ; v2(189.803,105.82) 191.295,105.82 v2(193.007,107.532) ; JP6.1@194.565,111.875 200.599,105.841 v2(205.151,105.841) 207.845,103.146 v2(207.845,90.625) 207.845,84.28 213.325,78.8 JP5.1@213.325,68.955 ; JP5.1@213.02,68.55 JP5.1@213.425,68.955
  Bottom Layer w0.5: v2(33.225,35.825) 33.229,35.829 33.229,37.579 34.2,38.55 51.25,38.55 v2@55.15,42.45 ; v2@33.332,35.718 33.332,32.243 40.936,24.639 72.764,24.639 v2(72.775,24.65) ; 60.991,24.618 65.625,19.984 v2(75.734,19.984) 92.919,19.984 v2(92.984,19.919) 110.156,19.919 v2(110.175,19.9) 110.275,20 125.075,20 v2(125.175,20.1) 125.225,20.05 v2(141.6,20.05) 141.625,20.025 156.175,20.025 v2(156.275,19.925) ; v2(75.775,35.4) 75.775,36.821 v2(89.003,50.049) 92.026,50.049 98.425,43.65 v2(98.425,40.6) 140.7,40.6 141.8,41.7 v2(143.275,41.7)
+VCC_3.8V: C22.1 IC1.4 R5.2 R18.1 R19.2 U7.2 | length 99.9
  Top Layer w0.254: R5.2@86.81,60.082 R5.2@87.053,60.325 ; v2@90.275,60.325 90.475,60.125 v2(90.75,60.125)
  Top Layer w0.5: R5.2@87.053,60.325 v2@90.275,60.325
  Bottom Layer w0.5: v2(90.75,60.125) 91.525,60.9 117.325,60.9 121.15,64.725 171.425,64.725 175.76,69.06 U7.2@182.8,69.06
+VCC_5V: C14.2 J5.3 J5.6 J5.9 J6.3 J6.6 J6.9 J7.1 J7.8 J8.9 J9.1 J9.8 J9.9 R4.2 U4.5
  other v2: 63.125,28.425 49.2,37.411 91.175,80.875
+VCC_12V: C10.2 C11.1 C12.2 C13.1 D6.1 D7.1 D8.1 R1.2 R24.1 R29.1 R32.1 U1.1 U2.1
  other v2: 205.775,35.325 219.675,35.425 190.525,35.5 64.525,50.925
+VREF_3.0V: C32.1 C33.1 R12.1 R13.1 R14.2 U5.13 | length 90.7
  Top Layer w0.254: R13.1@50.225,42.5 50.225,42.55 51.613,43.938 R12.1@51.613,44.827 51.613,44.877 50.725,45.765 50.725,47.675 65.925,47.675 v2(68.15,49.9) ; R14.2@50.75,47.65 R14.2@50.75,47.675 ; v2(113.225,48.7) 116.649,52.124 C32.1@120.823,52.124 ; C32.1@120.832,52.115 C33.1@122.591,52.115 ; C33.1@122.627,52.15 124.225,52.15 125.482,53.407 U5.13@128.552,53.407
  Bottom Layer w0.254: v2(68.15,49.9) 70.325,47.725 83.75,47.725 87.925,51.9 92.588,51.9 94.804,49.684 99.116,49.684 100.1,48.7 v2(113.225,48.7)
AI_SCL: J10.3 R50.2 U5.58 | length 70.3
  Top Layer w0.254: v2(126.15,71.5) 126.425,71.5 126.75,71.825 131.375,71.825 133.602,69.598 U5.58@133.602,61.457 ; R50.2@154.679,64.95 159.775,64.95 161.35,66.525 J10.3@161.35,70.525
  Bottom Layer w0.254: v2(126.15,71.5) 133.75,79.1 153.575,79.1 161.201,71.474 161.201,70.674 J10.3@161.35,70.525
AI_SDA: J10.4 R49.2 U5.59 | length 77.9
  Top Layer w0.254: v2(122.525,70.475) 122.534,70.484 131.316,70.484 133.029,68.771 133.029,62.192 133.102,62.119 U5.59@133.102,61.457 ; R49.2@159.875,61.75 163.875,65.75 163.875,70.5 J10.4@163.85,70.525
  Bottom Layer w0.254: v2(122.525,70.475) 131.7,79.65 154.78,79.65 163.85,70.58 J10.4@163.85,70.525
BUTTON_EMG: C57.1 J12.2 R52.1 U5.45 | length 42
  Top Layer w0.254: U5.45@140.152,57.907 149.645,57.907 v2(150.79,59.053) ; v2(150.683,53.22) 158.849,53.22 162.577,49.492 162.577,49.473 162.825,49.225 R52.1@162.875,49.225 ; J12.2@164.2,44.05 162.85,45.4 R52.1@162.85,49.2 R52.1@162.875,49.225 ; C57.1@168.15,49.25 168.125,49.225 R52.1@162.875,49.225
  Bottom Layer w0.254: v2@150.79,53.113 v2(150.683,53.22) 150.737,53.274 150.737,58.999 v2(150.79,59.053)